# Allegro board 1156197-TDI_VU3P_QSFP28_CXP_V001_1023A-166-20241121_1644_PCB.brd (continued)
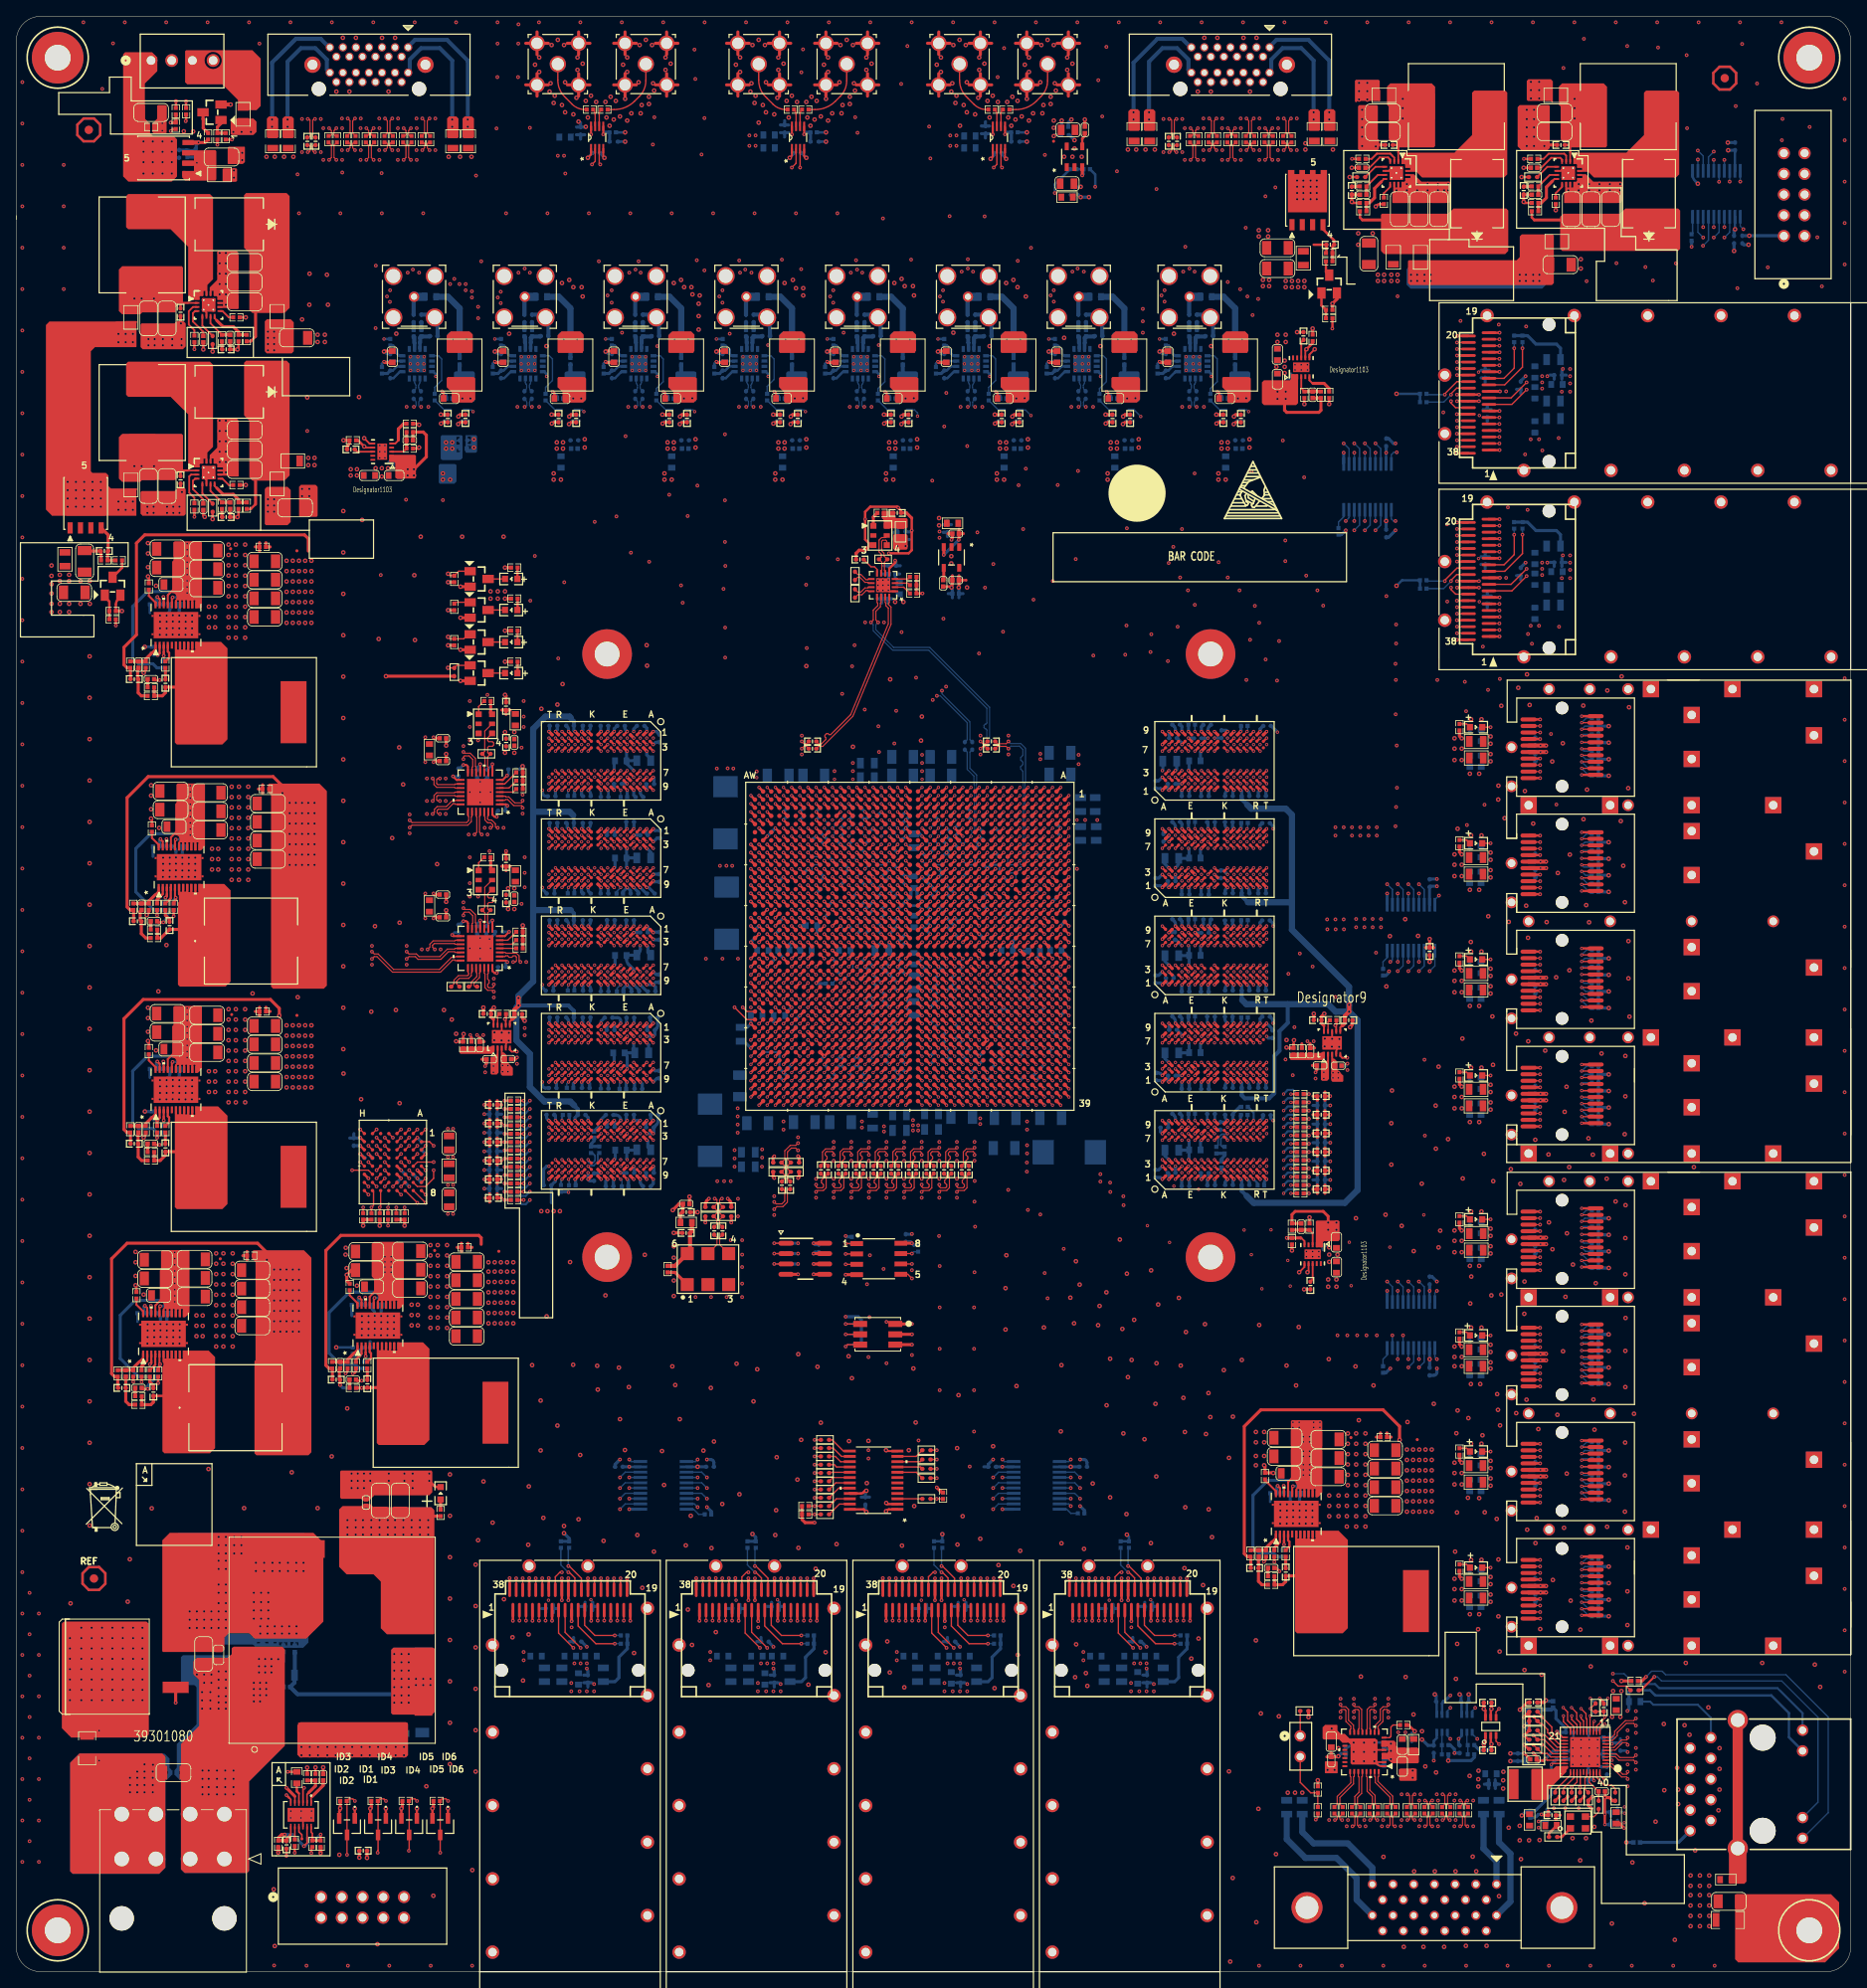
[diagram p0: board, top side]
## Routing (per net, layer and track width the routed paths; a pad name or vN(x,y) marks a point on that pad's centre or on a via; arc(x,y) is an arc through that point) (continued)
  BOTTOM w0.17: v3(192,134.25) 192.7,133.55 R225.2 ; U20.15 v1(170.74,132.33)
CHA_SFP+_6_TX_DISABLE_1V8: length 72.5
  TOP w0.152: U1.P29 v1(116.1,116.36)
  ART14 w0.122: v1(170.74,123.95) 171.32,123.37 171.32,120.9 165.61,115.19 158.37,115.19 157.86,114.68 157.86,113 152.55,107.7 140.08,107.7 133.86,113.92 126.87,113.92 126.62,113.67 126.62,113.16 126.36,112.9 122.94,112.9 122.68,113.16 122.68,113.41 122.3,113.79 120.02,113.79 119.63,114.17 119.63,114.43 119.2,114.86 116.92,114.86 116.59,115.19 116.59,115.82 116.1,116.31 v1(116.1,116.36)
  BOTTOM w0.17: U20.6 v1(170.74,123.95)
CHA_SFP+_6_TXD_N: length 83.6
  TOP w0.14: v1(186.91,133.05) 186.9,133.05 P2.C19 ; U1.D4 v3(126.1,142.36)
  ART16 w0.102: v3(126.1,142.36) 126.1,142.15 arc(126.05,142.01) 125.91,141.96 125.89,141.96 arc(125.76,142.01) 125.7,142.15 125.7,143.8 125.72,144.2 125.72,145.76 125.78,145.81 125.78,145.84
  ART16 w0.114: v1(186.91,133.05) 186.78,133.18 arc(186.65,133.26) 186.5,133.29 186.2,133.29 arc(185.52,133.57) 185.24,134.25 185.24,135.64 arc(185.01,136.81) 184.34,137.8 184.16,137.98 arc(184.1,138.01) 184.04,137.98 arc(183.98,137.95) 183.92,137.98 183.72,138.18 arc(183.69,138.24) 183.72,138.3 arc(183.74,138.37) 183.72,138.43 182.21,139.94 arc(180.36,141.17) 178.18,141.6 arc(176.3,141.98) 174.71,143.04 163.81,153.94 arc(161.72,155.34) 159.26,155.83 136.65,155.83 arc(134.42,155.39) 132.53,154.12 128.53,150.12 arc(128.51,150.06) 128.53,150 arc(128.56,149.93) 128.53,149.87 128.34,149.67 arc(128.27,149.65) 128.21,149.67 arc(128.15,149.7) 128.08,149.67 127.89,149.47 arc(127.86,149.41) 127.89,149.35 arc(127.91,149.28) 127.89,149.22 127.69,149.03 arc(127.63,149) 127.56,149.03 arc(127.5,149.05) 127.44,149.03 127.24,148.83 arc(127.21,148.77) 127.24,148.7 arc(127.26,148.64) 127.24,148.57 127.04,148.38 arc(126.98,148.35) 126.92,148.38 arc(126.85,148.4) 126.79,148.38 126.11,147.7 126.04,147.63 arc(125.85,147.34) 125.78,146.99 125.78,145.84
CHA_SFP+_6_TXD_P: length 83.6
  TOP w0.14: P2.C18 v1(186.91,133.85) ; U1.D5 v3(126.1,141.36)
  ART16 w0.102: 125.47,145.84 125.47,145.81 125.52,145.76 125.52,144.2 125.5,143.81 125.5,142.15 arc(125.61,141.87) 125.89,141.76 125.91,141.76 arc(126.05,141.7) 126.1,141.57 v3(126.1,141.36)
  ART16 w0.114: v1(186.91,133.85) 186.78,133.72 arc(186.65,133.63) 186.5,133.6 186.2,133.6 arc(185.74,133.79) 185.55,134.25 185.55,135.64 arc(185.29,136.93) 184.56,138.02 182.43,140.15 arc(180.48,141.46) 178.18,141.91 arc(176.42,142.26) 174.93,143.26 164.03,154.16 arc(161.84,155.62) 159.26,156.14 136.65,156.14 arc(134.31,155.67) 132.32,154.34 126.38,148.4 126.38,148.4 125.83,147.85 arc(125.76,147.78) 125.7,147.7 arc(125.53,147.36) 125.47,146.99 125.47,145.84
CHA_SFP+_7_LOS: length 44.2
  TOP w0.17: DS11.2 v1(180.83,152.75) ; P2.D8 v3(192,152.5)
  ART05 w0.122: v1(168.14,133.48) 168.14,135.51 177.16,144.53 177.16,147.32 179.45,149.61 179.45,151.76 180.44,152.75 v1(180.83,152.75) 182.38,154.31 187.58,154.31 189.39,152.5 v3(192,152.5)
  BOTTOM w0.17: v3(192,152.5) 192.39,152.88 R239.2 ; v1(168.14,133.48) 168.79,132.83 U20.12
CHA_SFP+_7_LOS_1V8: length 56.2
  TOP w0.152: U1.M29 v1(118.1,116.36)
  ART14 w0.122: v1(118.1,116.36) 118.58,116.84 119.38,116.84 119.63,117.09 119.63,117.47 120.02,117.86 129.79,117.86 130.05,117.6 157.05,117.6 158.32,118.87 161.93,118.87 167,123.95 v1(168.53,123.95)
  BOTTOM w0.17: v1(168.53,123.95) 168.79,124.22 U20.9
CHA_SFP+_7_RXD_N: length 73.6
  TOP w0.14: P2.D12 v1(186.91,152.9) ; U1.G1 v3(123.1,145.36)
  ART14 w0.102: 123.45,145.75 123.45,145.72 123.5,145.67 123.5,145.07 arc(123.47,144.99) 123.39,144.96 123.2,144.96 arc(123.13,144.99) 123.1,145.06 v3(123.1,145.36)
  ART14 w0.114: 123.45,145.75 123.45,145.86 arc(123.52,146.21) 123.71,146.5 arc(123.85,146.71) 123.9,146.95 123.9,147.75 arc(124.16,149.06) 124.91,150.18 125.91,151.18 arc(131.82,155.13) 138.79,156.52 177.34,156.52 arc(179.12,156.16) 180.64,155.15 181.78,154.01 arc(183.28,153) 185.05,152.65 186.5,152.65 arc(186.65,152.68) 186.78,152.77 v1(186.91,152.9)
CHA_SFP+_7_RXD_P: length 73.6
  TOP w0.14: U1.G2 v3(123.1,144.36) ; P2.D13 v1(186.91,152.1)
  ART14 w0.102: v3(123.1,144.36) 123.1,144.65 arc(123.13,144.73) 123.2,144.76 123.39,144.76 arc(123.61,144.85) 123.7,145.07 123.7,145.67 123.75,145.72 123.75,145.75
  ART14 w0.114: v1(186.91,152.1) 186.78,152.23 arc(186.65,152.31) 186.5,152.34 186.37,152.34 arc(186.31,152.32) 186.29,152.26 arc(186.26,152.2) 186.2,152.17 185.92,152.17 arc(185.85,152.2) 185.83,152.26 arc(185.8,152.32) 185.74,152.34 185.05,152.34 arc(183.16,152.72) 181.57,153.79 180.42,154.93 arc(179.01,155.88) 177.34,156.21 138.79,156.21 arc(131.94,154.85) 126.13,150.96 125.12,149.96 arc(124.44,148.95) 124.21,147.75 124.21,146.95 arc(124.13,146.59) 123.93,146.28 arc(123.8,146.09) 123.75,145.86 123.75,145.75
CHA_SFP+_7_TX_DISABLE: length 37.2
  TOP w0.17: P2.D3 v3(192,148.5)
  ART05 w0.122: v1(169.44,132.33) 168.91,132.87 168.91,134.75 179.71,145.54 180.21,145.54 181.99,147.32 183.77,147.32 185.17,145.92 187.58,145.92 190.15,148.5 v3(192,148.5)
  BOTTOM w0.17: U20.13 v1(169.44,132.33) ; v3(192,148.5) 192.7,147.8 R233.2
CHA_SFP+_7_TX_DISABLE_1V8: length 62.5
  TOP w0.152: U1.M30 v1(118.1,115.36)
  ART14 w0.122: v1(118.1,115.36) 118.57,115.82 135.64,115.82 138.68,112.78 154.31,112.78 155.07,113.54 155.07,115.06 156.59,116.59 160.4,116.59 161.04,117.22 165.48,117.22 170.05,121.79 170.05,123.34 v1(169.44,123.95)
  BOTTOM w0.17: U20.8 v1(169.44,123.95)
CHA_SFP+_7_TXD_N: length 81.6
  TOP w0.14: U1.F4 v3(124.1,142.36) ; P2.D19 v1(186.91,147.3)
  ART16 w0.102: v3(124.1,142.36) 124.1,142.15 arc(124.05,142.01) 123.91,141.96 123.89,141.96 arc(123.76,142.01) 123.7,142.15 123.7,143.8 123.72,144.2 123.72,145.76 123.78,145.81 123.78,145.84
  ART16 w0.114: 123.78,145.84 123.78,146.2 arc(123.81,146.37) 123.91,146.51 124.08,146.69 arc(124.3,146.98) 124.43,147.32 arc(124.45,147.46) 124.46,147.6 124.46,147.93 arc(124.49,147.99) 124.55,148.02 arc(124.61,148.04) 124.64,148.11 124.64,148.39 arc(124.61,148.45) 124.55,148.47 arc(124.49,148.5) 124.46,148.56 124.46,148.72 124.46,148.72 arc(124.57,149.25) 124.87,149.71 125.27,150.11 arc(125.34,150.14) 125.41,150.11 arc(125.48,150.08) 125.55,150.11 125.73,150.29 arc(125.76,150.36) 125.73,150.43 arc(125.7,150.5) 125.73,150.57 125.92,150.75 arc(125.99,150.78) 126.05,150.75 arc(126.12,150.73) 126.19,150.75 126.38,150.94 arc(126.41,151.01) 126.38,151.08 arc(126.35,151.15) 126.38,151.22 130.6,155.44 arc(132.58,156.76) 134.91,157.23 175.22,157.23 arc(178.42,156.59) 181.14,154.77 184.38,151.53 arc(185.02,150.58) 185.24,149.46 185.24,149.28 arc(185.22,149.23) 185.16,149.21 arc(185.11,149.19) 185.09,149.13 185.09,148.82 arc(185.11,148.77) 185.16,148.75 arc(185.22,148.73) 185.24,148.67 185.24,148.36 arc(185.48,147.78) 186.06,147.54 186.5,147.54 arc(186.65,147.51) 186.78,147.43 v1(186.91,147.3)
CHA_SFP+_7_TXD_P: length 81.6
  TOP w0.14: U1.F5 v3(124.1,141.36) ; P2.D18 v1(186.91,148.1)
  ART16 w0.102: v3(124.1,141.36) 124.1,141.57 arc(124.05,141.7) 123.91,141.76 123.89,141.76 arc(123.61,141.87) 123.5,142.15 123.5,143.81 123.52,144.2 123.52,145.76 123.47,145.81 123.47,145.84
  ART16 w0.114: v1(186.91,148.1) 186.78,147.97 arc(186.65,147.88) 186.5,147.85 186.06,147.85 arc(185.7,148) 185.55,148.36 185.55,149.46 arc(185.3,150.7) 184.6,151.75 181.36,154.99 arc(178.54,156.87) 175.22,157.53 134.91,157.53 arc(132.46,157.05) 130.39,155.66 124.65,149.92 arc(124.28,149.37) 124.15,148.72 124.15,147.6 arc(124.15,147.5) 124.13,147.39 arc(124.03,147.13) 123.86,146.9 123.69,146.73 arc(123.53,146.49) 123.47,146.2 123.47,145.84
CHA_TEMP_ALERT: length 40.5
  TOP w0.152: U1.AN25 v1(97.1,121.36)
  TOP w0.17: U6.3 v1(92.96,86.87)
  ART05 w0.122: v1(92.96,86.87) 94.23,88.14 94.23,94.49 97.66,97.92 97.66,119.66 97.54,119.79 96.98,119.79 96.6,120.17 96.6,120.85 v1(97.1,121.36)
  BOTTOM w0.17: R54.2 v1(92.96,86.87)
CHA_TEMP_SCL: length 46.6
  TOP w0.152: U1.AR26 v1(94.1,119.36)
  TOP w0.17: U6.2 v1(92.96,88.14)
  ART05 w0.122: v1(94.1,119.36) 93.6,118.85 93.6,105.56 92.99,104.95 92.99,103.86 90.42,101.3 90.42,99.11 89.61,98.3 85.34,98.3 83.95,96.9 83.95,93.98 87.12,90.81 90.3,90.81 v1(92.96,88.14)
  BOTTOM w0.17: R53.2 v1(92.96,88.14)
CHA_TEMP_SDA: length 46.4
  TOP w0.152: U1.AR25 95.1,120.36 v1(95.1,120.36)
  TOP w0.17: U6.1 v1(92.96,89.41)
  ART05 w0.122: v1(92.96,89.41) 91.03,91.34 87.35,91.34 84.45,94.23 84.45,96.5 85.67,97.71 89.66,97.71 90.96,99.01 90.96,101.12 93.46,103.62 93.46,104.61 94.61,105.77 94.61,119.87 v1(95.1,120.36)
  BOTTOM w0.17: R52.2 v1(92.96,89.41)
CHA_VCCAUX: length 39.2
  TOP w0.305: U1.T27 v1(114.1,118.36) ; U1.W26 v1(111.1,119.36) ; U1.AA30 v1(108.1,115.36) ; U1.V31 v1(112.1,114.36) ; U1.V27 v1(112.1,118.36) ; U1.U26 v1(113.1,119.36) ; U1.P31 v1(116.1,114.36) ; U1.W30 v1(111.1,115.36) ; U1.V29 v1(112.1,116.36) ; U1.R28 v1(115.1,117.36) ; U1.R30 v1(115.1,115.36) ; U1.AE28 v1(104.1,117.36) ; U1.AB31 v1(107.1,114.36) ; U1.T31 v1(114.1,114.36) ; U1.Y29 v1(109.1,116.36) ; U1.T29 v1(114.1,116.36) ; U1.AD29 v1(105.1,116.36) ; U1.R26 v1(115.1,119.36) ; U1.U30 v1(113.1,115.36) ; U1.AD27 v1(105.1,118.36) ; U1.AA26 v1(108.1,119.36) ; U1.U28 v1(113.1,117.36) ; U1.Y27 v1(109.1,118.36) ; U1.AF31 v1(103.1,114.36) ; U1.AB27 v1(107.1,118.36) ; U1.AA28 v1(108.1,117.36) ; U1.AC28 v1(106.1,117.36) ; U1.AE30 v1(104.1,115.36) ; U1.AC30 v1(106.1,115.36) ; U1.AE26 v1(104.1,119.36) ; U1.AD31 v1(105.1,114.36) ; U1.AC26 v1(106.1,119.36) ; U1.Y31 v1(109.1,114.36) ; U1.W28 v1(111.1,117.36)
  TOP w0.381: U1.AB29 v1(107.1,116.36)
  BOTTOM w0.381: v1(105.1,116.36) 105.58,115.88 C227.1 105.6,115.86 v1(106.1,115.36) ; v1(112.1,116.36) 112.58,116.83 C234.1 ; C225.1 114.63,119.83 v1(115.1,119.36) ; C232.1 108.63,113.88 v1(109.1,114.36) ; v1(104.1,119.36) 104.58,118.88 C228.1 104.6,118.86 v1(105.1,118.36) ; v1(113.1,119.36) 112.64,118.89 C222.1 112.6,118.86 v1(112.1,118.36) ; v1(107.1,116.36) 107.58,115.88 C224.1 107.6,115.86 v1(108.1,115.36) ; C223.1 113.63,113.88 v1(114.1,114.36) ; v1(107.1,118.36) 106.6,118.86 C233.1 106.57,118.89 v1(106.1,119.36) ; C226.1 104.64,113.89 v1(105.1,114.36) ; C221.1 115.64,113.89 v1(116.1,114.36) ; v1(107.1,114.36) 106.63,113.88 C231.1 ; v1(111.1,117.36) 111.07,117.39 C219.1 110.07,117.39 v1(109.1,118.36)
  vias: v1(109.98,104.52) v1(109.98,103.89) v1(109.98,103.25) v1(110.62,103.89) v1(110.62,103.25)
CHA_VCCINT: length 147.3
  TOP w0.305: U1.T9 v1(113.1,136.36) ; U1.Y19 v1(109.1,127.36) ; U1.U18 v1(113.1,128.36) ; U1.T17 v1(114.1,129.36) ; U1.AA18 v1(108.1,128.36) ; U1.AE12 v1(104.1,134.36) ; U1.R14 v1(115.1,132.36) ; U1.R24 v1(115.1,121.36) ; U1.AF13 v1(103.1,133.36) ; U1.Y25 v1(109.1,120.36) ; U1.AB25 v1(107.1,120.36) ; U1.V13 v1(112.1,133.36) ; U1.W24 v1(111.1,121.36) ; U1.T15 v1(114.1,131.36) ; U1.W12 v1(111.1,134.36) ; U1.AC12 v1(106.1,134.36) ; U1.Y13 v1(109.1,133.36) ; U1.AD23 v1(105.1,122.36) ; U1.V15 v1(112.1,131.36) ; U1.AA24 v1(108.1,121.36) ; U1.U20 v1(113.1,126.36) ; U1.AA14 v1(108.1,132.36) ; U1.AC10 v1(106.1,136.36) ; U1.W20 v1(111.1,126.36) ; U1.R12 v1(115.1,134.36) ; U1.AB13 v1(107.1,133.36) ; U1.AC24 v1(106.1,121.36) ; U1.AE16 v1(104.1,130.36) ; U1.AD13 v1(105.1,133.36) ; U1.R10 v1(115.1,136.36) ; U1.Y17 v1(109.1,129.36) ; U1.AE18 v1(104.1,128.36) ; U1.AC16 v1(106.1,130.36) ; U1.U24 v1(113.1,121.36) ; U1.Y11 v1(109.1,135.36) ; U1.T21 v1(114.1,124.36) ; U1.V17 v1(112.1,129.36) ; U1.V25 v1(112.1,120.36) ; U1.U10 v1(113.1,135.36) ; U1.AE22 v1(104.1,123.36) ; U1.AC18 v1(106.1,128.36) ; U1.V23 v1(112.1,122.36) ; U1.AA12 v1(108.1,134.36) ; U1.U14 v1(113.1,132.36) ; U1.Y23 v1(109.1,122.36) ; U1.T25 v1(114.1,120.36) ; U1.V11 v1(112.1,135.36) ; U1.T13 v1(114.1,133.36) ; U1.P15 v1(116.1,131.36) ; U1.AD21 v1(105.1,124.36) ; U1.R20 v1(115.1,126.36) ; U1.AA20 v1(108.1,126.36) ; U1.U12 v1(113.1,134.36) ; U1.AC22 v1(106.1,123.36) ; U1.U16 v1(113.1,130.36) ; U1.W14 v1(111.1,132.36) ; U1.AB11 v1(107.1,135.36) ; U1.AD11 v1(105.1,135.36) ; U1.AE24 v1(104.1,121.36) ; U1.AC20 v1(106.1,126.36) ; U1.AA22 v1(108.1,123.36) ; U1.AB9 v1(107.1,137.36) ; U1.P17 v1(116.1,129.36) ; U1.T19 v1(114.1,127.36) ; U1.W22 v1(111.1,123.36) ; U1.AC14 v1(106.1,132.36) ; U1.AF11 v1(103.1,135.36) ; U1.AB21 v1(107.1,124.36) ; U1.U22 v1(113.1,123.36) ; U1.P13 v1(116.1,133.36) ; U1.AE14 v1(104.1,132.36) ; U1.T23 v1(114.1,122.36) ; U1.AD17 v1(105.1,129.36) ; U1.AF25 v1(103.1,120.36) ; U1.AD9 v1(105.1,137.36) ; U1.V21 v1(112.1,124.36) ; U1.AF17 v1(103.1,129.36) ; U1.T11 v1(114.1,135.36) ; U1.AE20 v1(104.1,126.36) ; U1.Y21 v1(109.1,124.36) ; U1.R18 v1(115.1,128.36) ; U1.W18 v1(111.1,128.36) ; U1.V19 v1(112.1,127.36) ; U1.R16 v1(115.1,130.36) ; U1.V9 v1(112.1,137.36) ; U1.AB19 v1(107.1,127.36) ; U1.AD19 v1(105.1,127.36) ; U1.AD15 v1(105.1,131.36) ; U1.AB17 v1(107.1,129.36) ; U1.R22 v1(115.1,123.36) ; U1.AD25 v1(105.1,120.36) ; U1.AB23 v1(107.1,122.36) ; U1.P19 v1(116.1,127.36)
  TOP w0.381: U1.AE10 v1(104.1,136.36) ; 57.02,89.28 57.02,90.07 56.72,90.37 39.83,90.37 37.97,88.52 37.97,74.43 38.35,74.05 R336.1 38.77,74.01 C653.2 ; 55.39,89.41 R343.2 55.9,88.9
  BOTTOM w0.381: v1(104.1,130.36) 104.58,130.83 C918.1 104.6,130.86 v1(105.1,131.36) ; v1(109.1,127.36) 108.6,126.86 C910.1 108.58,126.83 v1(108.1,126.36) ; v1(104.1,123.36) 104.57,122.89 C188.1 ; v1(109.1,120.36) 109.31,120.56 C137.1 110.3,120.56 v1(111.1,121.36) ; v1(113.1,134.36) 113.58,134.83 C139.1 U1.T11 ; v1(106.1,134.36) 106.58,134.83 C184.1 106.6,134.86 v1(107.1,135.36) ; v1(112.1,120.36) 112.6,120.86 C182.1 112.63,120.88 v1(113.1,121.36) ; C916.1 106.58,130.83 v1(106.1,130.36) ; v1(115.1,128.36) 114.64,128.82 C186.1 114.6,128.86 v1(114.1,129.36) ; C145.1 U1.AE12 v1(105.1,133.36) ; v1(106.1,128.36) 105.63,128.83 C915.1 U1.AD17 v1(105.1,129.36) ; v1(109.1,133.36) U1.AA12 C148.1 108.57,133.89 v1(108.1,134.36) ; C187.1 112.63,127.88 v1(113.1,128.36) ; C181.1 105.64,131.89 v1(106.1,132.36) ; v1(108.1,128.36) 107.64,127.89 C140.1 107.6,127.86 v1(107.1,127.36) ; C183.1 105.58,136.88 v1(105.1,137.36) ; U1.T11 v1(113.1,135.36) ; U1.T11 v1(114.1,135.36) ; v1(106.1,121.36) 105.63,121.83 C913.1 105.6,121.86 v1(105.1,122.36) ; v1(111.1,123.36) 111.58,122.88 C141.1 U1.V23 v1(112.1,122.36) ; C917.1 U1.AB9 v1(107.1,137.36) ; v1(108.1,123.36) 108.58,122.88 C185.1 108.6,122.86 v1(109.1,122.36) ; v1(112.1,129.36) 111.6,129.86 C909.1 ; v1(108.1,132.36) 107.64,131.89 C142.1 ; v1(114.1,122.36) U1.T23 C143.1 113.58,122.88 v1(113.1,123.36) ; v1(112.1,137.36) 112.6,137.86 R8.1 ; v1(114.1,131.36) U1.T15 C147.1 113.58,130.83 v1(113.1,130.36) ; v1(105.1,124.36) 105.32,124.58 C138.1 105.32,125.58 v1(106.1,126.36) ; v1(114.1,120.36) 114.6,120.86 C914.1 114.63,120.88 v1(115.1,121.36) ; v1(114.1,133.36) 114.6,132.86 C146.1 114.64,132.82 v1(115.1,132.36) ; v1(108.1,121.36) 107.63,121.83 C912.1 107.6,121.86 v1(107.1,122.36) 106.6,122.86 C180.1 106.58,122.88 v1(106.1,123.36) ; v1(113.1,132.36) 112.64,132.82 C144.1 112.6,132.86 v1(112.1,133.36) 111.6,133.86 C179.1 111.57,133.89 v1(111.1,134.36) ; v1(112.1,127.36) 111.6,127.86 C911.1 111.57,127.89 v1(111.1,128.36)
  vias: v1(84.58,124.33) v1(85.92,147.68) v1(86.61,124.33) v1(87.25,147.7) v1(87.95,147.68) v1(88.52,124.33) v1(88.48,105.98) v1(88.48,104.98) v1(88.48,103.98) v1(88.48,102.98) v1(111.1,149.36) v1(111.1,148.36) v1(111.1,147.36) v1(123.97,101.44) v1(123.97,100.44) v1(123.95,99.31) v2(57.91,87.07) v2(57.91,85.93) v2(57.91,84.66) v2(57.91,83.39) v2(57.91,82.12) v2(57.91,80.85) v2(57.91,79.58) v2(58.67,87.07) v2(58.67,85.93) v2(58.67,84.66) v2(58.67,83.39) v2(58.67,82.12) v2(58.67,80.85) v2(58.67,79.58) v2(59.44,87.07) v2(59.44,85.93) v2(59.44,84.66) v2(59.44,83.39) v2(59.44,82.12) v2(59.44,80.85) v2(59.44,79.58) v2(60.2,87.07) v2(60.2,85.93) v2(60.2,84.66) v2(60.2,83.39) v2(60.2,82.12) v2(60.2,80.85) v2(60.2,79.58) v2(60.96,87.07) v2(60.96,85.93) v2(60.96,84.66) v2(60.96,83.39) v2(60.96,82.12) v2(60.96,80.85) v2(60.96,79.58) v3(111.1,146.36)
CHA_VCCINT_EN: length 4.3
  TOP w0.279: U43.2 42.35,75.85 v1(42.11,75.62) 41.66,75.16 R346.2
  BOTTOM w0.381: C667.1 42.11,76.24 v1(42.11,75.62) 41.48,75.62 R345.2
CHA_VCCINT_GOOD: length 47.3
  TOP w0.279: U43.3 42.85,75.98
  TOP w0.305: 42.85,75.98 v1(42.85,75.55) ; R371.2 v1(15.37,72.39)
  ART03 w0.381: v1(42.85,75.55) 42.85,75.06 42.47,74.68 38.99,74.68 35.56,71.25 35.56,65.28 32.92,62.64 18.41,62.64 15.37,65.68 v1(15.37,72.39)
  BOTTOM w0.381: R344.2 42.85,75.02 v1(42.85,75.55)
CLK_SEL: length 162.7
  TOP w0.152: U1.N23 v1(117.1,122.36)
  TOP w0.17: J3.2 157.48,23.24 158.77,21.95 R35.1 R579.1
  ART03 w0.122: J3.2 156.21,27.66 156.21,53.59 155.83,53.98 154.1,53.98 151,57.07 151,69.72 154.48,73.2 164.82,73.2 166.88,75.26 v1(166.88,78.11)
  ART16 w0.122: v1(117.1,122.36) 116.59,121.84 116.59,116.2 116.97,115.82 117.35,115.82 117.6,115.57 117.6,113.16 117.86,112.9 130.18,112.9 130.81,112.27 130.81,100.97 138.43,93.34 161.67,93.34 165.1,89.92 165.1,79.88 v1(166.88,78.11)
DDR4_1V2: length 321.6
  TOP w0.267: U14.J2 v3(146.97,134.68) ; U11.J2 v3(71.73,114.8) ; U17.J2 v3(146.97,98.86) ; U10.J2 v3(71.73,150.62) ; U16.J2 v3(146.97,146.62) ; U7.J2 v3(71.73,126.74)
  TOP w0.305: U1.AJ10 v1(100.1,136.36) ; U14.G1 v3(145.37,133.08) ; U14.J1 v3(146.97,133.08) ; U10.C1 v3(76.53,152.22) ; U14.B9 v3(141.36,140.28) ; U15.D1 v3(142.97,109.2) ; U1.N20 v1(117.1,126.36) ; U1.AG16 v1(102.1,130.36) ; U7.B9 v3(77.33,121.14) ; U15.A9 v3(140.56,116.4) ; U7.A9 v3(78.13,121.14) ; U1.AH13 v1(101.1,133.36) ; U1.AL14 v1(98.1,132.36) ; U1.K19 v1(120.1,127.36) ; v1(93.1,130.36) 93.1,130.36 U1.AU16 ; U15.C1 v3(142.17,109.2) ; U1.C10 v1(127.1,136.36) ; U1.AK17 v1(99.1,129.36) ; v1(126.1,128.36) 126.1,128.36 U1.D17 ; U1.AT9 v1(93.1,137.36) ; U1.AW10 v1(90.1,136.36) ; U9.B9 v3(77.33,97.26) ; U11.B9 v3(77.33,109.2) ; U7.C1 v3(76.53,128.34) ; U7.D1 v3(75.73,128.34) ; U1.J12 v1(121.1,134.36) ; U9.D1 v3(75.73,104.46) ; U13.D1 v3(142.97,121.14) ; U1.AF19 v1(103.1,127.36) ; U11.A9 v3(78.13,109.2) ; U1.K9 v1(120.1,137.36) ; U8.C1 v3(76.53,140.28) ; U1.F11 v1(124.1,135.36) ; U14.A9 v3(140.56,140.28) ; U1.AN8 v1(96.1,138.36) ; U9.C1 v3(76.53,104.46) ; U1.AN18 v1(96.1,128.36) ; U13.C1 v3(142.17,121.14) ; U1.E14 v1(125.1,132.36) ; U1.AT19 v1(93.1,127.36) ; v1(126.1,126.36) 126.1,126.36 U1.C20 ; U1.B13 v1(128.1,133.36) ; U1.AR12 v1(94.1,134.36) ; U1.H15 v1(122.1,131.36) ; U17.C1 v3(142.17,97.26) ; U17.D1 v3(142.97,97.26) ; U14.D1 v3(142.97,133.08) ; U16.B9 v3(141.36,152.22) ; U1.AP15 v1(95.1,131.36) ; U1.G8 v1(123.1,138.36) ; U9.F8 v3(74.13,98.06) ; U17.A9 v3(140.56,104.46) ; U11.D1 v3(75.73,116.4) ; U8.B9 v3(77.33,133.08) ; U16.A9 v3(140.56,152.22) ; U1.G18 v1(123.1,128.36) ; U9.A9 v3(78.13,97.26) ; U1.A16 v1(129.1,130.36) ; U1.AM21 v1(97.1,124.36) ; U10.B9 v3(77.33,145.01) ; U8.D1 v3(75.73,140.28) ; U1.AW20 v1(90.1,126.36) ; U1.AV13 v1(91.1,133.36) ; U13.A9 v3(140.56,128.34) ; U1.N10 v1(117.1,136.36) ; U1.M13 v1(118.1,133.36) ; U15.B9 v3(141.36,116.4) ; U1.AM11 v1(97.1,135.36) ; U16.C1 v3(142.17,145.01) ; U16.D1 v3(142.97,145.01) ; U17.B9 v3(141.36,104.46) ; U11.C1 v3(76.53,116.4) ; U1.AJ20 v1(100.1,126.36) ; U14.C1 v3(142.17,133.08) ; U1.AF9 v1(103.1,137.36) ; U10.A9 v3(78.13,145.01)
  TOP w0.381: U14.F8 v3(144.57,139.48) ; U7.G1 v3(73.33,128.34) ; U17.B3 v3(141.36,99.66) ; C670.2 14.01,102.96 R348.1 13.59,103 13.21,103.38 13.21,116.97 15.57,119.33 31.17,119.33 32.26,118.24 v2(32.26,117.35) ; U14.A1 v3(140.56,133.08) ; U16.J1 v3(146.97,145.01) ; U8.J8 v3(71.73,133.88) ; U17.L9 v3(149.36,104.46) ; U9.J8 v3(71.73,98.06) ; U7.R1 v3(66.13,128.34) ; U10.R1 v3(66.13,152.22) ; U17.F8 v3(144.57,102.86) ; U7.G7 v3(73.33,123.54) ; U10.G9 v3(73.33,145.01) ; 54.3,114.14 R115.1 54.81,114.65 ; U8.L9 v3(69.33,133.08) ; U8.A1 v3(78.13,140.28) ; U7.F8 v3(74.13,121.94) ; U15.G7 v3(145.37,114) ; v3(69.33,116.4) U11.L1 ; U10.G7 v3(73.33,147.42) ; U13.J2 v3(146.97,121.94) ; U14.B3 v3(141.36,135.48) ; U9.L9 v3(69.33,97.26) ; 156.67,113.89 R158.1 156.16,113.38 ; U9.G9 v3(73.33,97.26) ; U14.T9 v3(153.36,140.28) ; 30.63,118.36 R355.2 31.14,117.86 ; U15.J2 v3(146.97,110) ; U13.T9 v3(153.36,128.34) ; U13.J1 v3(146.97,121.14) ; U13.A1 v3(140.56,121.14) ; U7.J8 v3(71.73,122.74) ; U14.D9 v3(142.97,140.28) ; v3(149.36,121.14) U13.L1 ; v3(149.36,145.01) U16.L1 ; U13.G7 v3(145.37,125.94) ; U8.F8 v3(74.13,133.88) ; U9.J9 v3(71.73,97.26) ; U11.R1 v3(66.13,116.4) ; v3(149.36,109.2) U15.L1 ; U13.D9 v3(142.97,128.34) ; U9.J2 v3(71.73,103.66) ; U7.J9 v3(71.73,121.14) ; U17.G7 v3(145.37,102.06) ; U9.F2 v3(74.13,103.66) ; U17.J9 v3(146.97,104.46) ; U15.T9 v3(153.36,116.4) ; U9.A1 v3(78.13,104.46) ; U11.L9 v3(69.33,109.2) ; U15.G1 v3(145.37,109.2) ; v3(149.36,133.08) U14.L1 ; U15.J9 v3(146.97,116.4) ; v3(69.33,128.34) U7.L1 ; U13.B3 v3(141.36,123.54) ; U10.F8 v3(74.13,146.62) ; U16.A1 v3(140.56,145.01) ; v3(149.36,97.26) U17.L1 ; U17.J8 v3(146.97,103.66) ; U13.J8 v3(146.97,126.74) ; U16.G9 v3(145.37,152.22) ; v3(69.33,152.22) U10.L1 ; U17.A1 v3(140.56,97.26) ; U17.D9 v3(142.97,104.46) ; U11.D9 v3(75.73,109.2) ; U7.J1 v3(71.73,128.34) ; U7.F2 v3(74.13,126.74) ; U15.J1 v3(146.97,109.2) ; U11.G7 v3(73.33,111.6) ; U7.G9 v3(73.33,121.14) ; U16.L9 v3(149.36,152.22) ; U11.J1 v3(71.73,116.4) ; U10.J9 v3(71.73,145.01) ; U16.B3 v3(142.17,147.42) ; U8.G1 v3(73.33,140.28) ; U14.L9 v3(149.36,140.28) ; U13.G9 v3(145.37,128.34) ; U8.D9 v3(75.73,133.08) ; U10.L9 v3(69.33,145.01) ; U8.G9 v3(73.33,133.08) ; U16.F2 v3(144.57,146.62) ; U1.J22 v1(121.1,124.36) ; v3(69.33,140.28) U8.L1 ; U10.J8 v3(71.73,145.82) ; U11.G9 v3(73.33,109.2) ; U8.F2 v3(74.13,138.68) ; U16.D9 v3(142.97,152.22) ; U14.J8 v3(146.97,138.68) ; U7.A1 v3(78.13,127.54) ; U16.G1 v3(145.37,145.01) ; U15.R1 v3(152.56,109.2) ; U17.F2 v3(144.57,98.86) ; U10.D1 v3(75.73,151.42) ; U8.R1 v3(66.13,140.28) ; U7.L9 v3(69.33,121.14) ; v3(69.33,104.46) U9.L1 ; U15.A1 v3(140.56,109.2) ; U15.F2 v3(144.57,110) ; U1.L16 v1(119.1,130.36) ; U9.D9 v3(75.73,97.26) ; U16.R1 v3(152.56,145.01) ; U9.T9 v3(65.33,97.26) ; U11.F8 v3(74.13,110) ; U10.F2 v3(74.13,150.62) ; U8.A9 v3(78.13,133.88) ; U15.L9 v3(149.36,116.4) ; U17.G1 v3(145.37,97.26) ; U17.J1 v3(146.97,97.26) ; U15.D9 v3(142.97,116.4) ; U16.J8 v3(146.97,150.62) ; U13.F2 v3(144.57,121.94) ; U11.J9 v3(71.73,109.2) ; U8.B3 v3(77.33,137.88) ; U9.G1 v3(73.33,104.46) ; U11.A1 v3(78.13,116.4) ; U13.B9 v3(141.36,127.54) ; U15.J8 v3(146.97,115.6) ; U8.J1 v3(71.73,140.28) ; U14.G9 v3(145.37,140.28) ; U10.G1 v3(73.33,152.22) ; U15.F8 v3(144.57,115.6) ; U14.R1 v3(152.56,133.08) ; U11.G1 v3(73.33,116.4) ; U13.R1 v3(152.56,121.14) ; U13.L9 v3(149.36,128.34) ; U13.G1 v3(145.37,121.14) ; U10.A1 v3(78.13,152.22) ; U11.F2 v3(74.13,114.8) ; U8.J2 v3(71.73,139.48) ; U16.G7 v3(145.37,149.82) ; U9.G7 v3(73.33,99.66) ; U17.T9 v3(153.36,104.46) ; U16.T9 v3(153.36,152.22) ; U8.J9 v3(71.73,133.08) ; U17.G9 v3(145.37,104.46) ; U9.R1 v3(66.13,104.46) ; U9.J1 v3(71.73,104.46) ; U11.J8 v3(71.73,110.8) ; U16.F8 v3(144.57,150.62) ; U10.D9 v3(75.73,145.01) ; U17.R1 v3(152.56,97.26) ; U15.B3 v3(141.36,111.6) ; U11.T9 v3(65.33,109.2) ; U7.B3 v3(77.33,125.94) ; U10.T9 v3(65.33,145.01) ; U14.F2 v3(144.57,133.88) ; U14.G7 v3(145.37,137.88) ; U9.B3 v3(77.33,102.06) ; U10.B3 v3(77.33,149.82) ; U15.G9 v3(145.37,116.4) ; U8.T9 v3(65.33,133.08) ; U10.J1 v3(71.73,152.22) ; U11.B3 v3(77.33,114) ; U1.F21 v1(123.1,125.36) ; U7.T9 v3(65.33,121.14) ; U8.G7 v3(73.33,135.48) ; U14.J9 v3(146.97,140.28) ; U7.D9 v3(75.73,121.14) ; U13.J9 v3(146.97,128.34) ; U16.J9 v3(146.97,152.22) ; U13.F8 v3(144.57,127.54)
  BOTTOM w0.305: v3(71.73,145.01) 71.69,144.98 C289.1 ; v3(71.73,109.2) 71.69,109.16 C302.1 ; C394.1 147,104.5 v3(146.97,104.46) ; C245.1 71.69,121.1 v3(71.73,121.14) ; C365.1 147,116.44 v3(146.97,116.4) ; C350.1 147,140.31 v3(146.97,140.28)
  BOTTOM w0.381: C297.1 73.33,112.66 v3(73.33,111.6) ; v3(142.97,104.46) 142.97,105.08 C399.1 ; v3(142.97,140.28) 142.97,140.89 C353.1 ; C307.1 75.78,116.45 v3(75.73,116.4) ; C367.1 140.38,109.39 v3(140.56,109.2) ; C276.1 74.15,98.04 v3(74.13,98.06) ; C288.1 71.67,152.28 v3(71.73,152.22) ; v1(121.1,134.36) 121.58,133.87 R76.2 ; v3(149.36,145.01) 149.21,144.86 C386.1 ; C59.1 U1.H15 v1(122.1,131.36) ; C274.1 78.13,96.71 v3(78.13,97.26) ; C268.1 77.25,97.34 v3(77.33,97.26) ; v1(97.1,124.36) 97.55,124.81 C50.1 ; C335.1 141.42,127.6 v3(141.36,127.54) ; C262.1 69.48,140.43 v3(69.33,140.28) ; v3(145.37,145.01) 145.33,144.98 C385.1 ; v3(78.13,127.54) 78.19,127.6 C244.1 ; C51.1 103.58,136.88 v1(103.1,137.36) ; v3(73.33,99.66) 73.47,99.8 C267.1 ; v3(141.36,99.66) 140.88,100.15 C390.1 ; C343.1 145.61,128.58 v3(145.37,128.34) ; C253.1 69.33,132.51 v3(69.33,133.08) ; v1(94.1,134.36) 93.6,133.86 C70.1 ; v3(69.33,121.14) 69.51,120.96 C241.1 ; C75.1 103.6,127.86 v1(103.1,127.36) ; C401.1 149.21,97.11 v3(149.36,97.26) ; C246.1 75.76,128.37 v3(75.73,128.34) ; C300.1 66.36,116.63 v3(66.13,116.4) ; C371.1 142.94,109.17 v3(142.97,109.2) ; v3(75.73,109.2) 75.83,109.1 C304.1 ; C368.1 142.97,117.02 v3(142.97,116.4) ; v3(144.57,127.54) 144.6,127.51 C338.1 ; v3(69.33,128.34) 69.48,128.49 C248.1 ; v3(78.13,104.46) 77.81,104.78 C273.1 ; C48.1 U1.A16 v1(129.1,130.36) ; C287.1 77.28,145.06 v3(77.33,145.01) ; C275.1 71.73,104.58 v3(71.73,104.46) ; v3(69.33,109.2) 69.38,109.15 C299.1 ; C369.1 149.21,109.05 v3(149.36,109.2) ; v3(149.36,104.46) 149.21,104.61 C393.1 149.21,105.3 150.06,106.15 R136.1 ; v3(142.97,133.08) 142.94,133.05 C354.1 ; C285.1 73.33,148.5 v3(73.33,147.42) ; v3(78.13,140.28) 78.34,140.07 C258.1 ; v3(145.37,121.14) 145.3,121.07 C336.1 ; v3(78.13,121.14) 78.44,121.45 C306.1 ; v3(78.13,121.14) v3(77.33,121.14) ; v3(78.13,121.14) 78.4,120.87 C298.1 ; 160.32,110.69 C418.1 ; C363.1 149.19,116.58 v3(149.36,116.4) ; v3(141.36,152.22) 141.41,152.17 C380.1 ; v3(140.56,97.26) 140.36,97.47 C397.1 ; C384.1 152.34,144.79 v3(152.56,145.01) ; v3(140.56,121.14) 140.36,121.35 C337.1 ; C252.1 73.44,135.59 v3(73.33,135.48) ; v3(146.97,134.68) 147.42,134.22 C356.1 ; C266.1 77.47,101.23 77.47,101.92 v3(77.33,102.06) ; C370.1 154.08,115.69 v3(153.36,116.4) ; v3(140.56,133.08) 140.36,133.29 C351.1 ; R66.2 99.62,136.84 v1(100.1,136.36) U1.AJ10 C53.1 ; C361.1 145.25,113.89 v3(145.37,114) ; v3(142.17,147.42) 142.33,147.58 C378.1 ; v1(101.1,133.36) 101.6,133.86 C52.1 ; C383.1 146.13,151.38 v3(146.16,151.42) ; C68.1 99.6,129.86 v1(99.1,129.36) ; C270.1 66.13,105.03 v3(66.13,104.46) ; v3(75.73,133.08) 76.29,132.52 C254.1 ; C345.1 140.88,135.96 v3(141.36,135.48) ; C366.1 145.33,109.16 v3(145.37,109.2) ; C332.1 140.88,124.02 v3(141.36,123.54) ; C58.1 118.6,130.86 v1(119.1,130.36) ; v3(78.13,116.4) 77.73,116.8 C303.1 ; C379.1 145.25,149.7 v3(145.37,149.82) ; v3(142.97,128.34) 142.97,128.95 C342.1 ; v3(73.33,104.46) 73.39,104.4 C271.1 ; C66.1 U1.K9 v1(120.1,137.36) 120.58,136.87 R77.2 ; v3(145.37,97.26) 145.3,97.33 C395.1 ; C249.1 76.39,120.48 v3(75.73,121.14) ; v3(145.37,133.08) 145.33,133.04 C349.1 ; R65.2 96.6,134.86 v1(97.1,135.36) ; v1(127.1,136.36) 126.6,136.86 C62.1 ; v3(142.97,145.01) 142.94,144.99 C389.1 ; C242.1 66.36,128.57 v3(66.13,128.34) ; v3(140.56,140.28) 140.69,140.15 C347.1 ; v1(98.1,132.36) 98.6,132.86 C77.1 ; v1(100.1,126.36) 100.9,125.56 C57.1 ; v3(77.33,149.82) 77.33,149.37 77.81,148.88 C284.1 ; C243.1 73.39,128.4 v3(73.33,128.34) ; C46.1 U1.K19 v1(120.1,127.36) ; C286.1 69.33,144.45 v3(69.33,145.01) ; C301.1 71.73,116.65 v3(71.73,116.4) ; C65.1 90.87,125.59 v1(90.1,126.36) 90.6,126.86 C69.1 ; C259.1 77.55,133.08 v3(77.33,133.08) ; v3(73.33,116.4) 73.37,116.36 C247.1 ; C341.1 142.94,121.11 v3(142.97,121.14) ; C261.1 78.24,133.77 v3(78.13,133.88) ; C305.1 69.48,116.55 v3(69.33,116.4) ; v3(75.73,140.28) 75.76,140.3 C260.1 ; v3(78.13,152.22) 78.51,152.22 C290.1 ; v3(145.37,152.22) 145.37,152.82 C388.1 ; v3(146.97,151.42) 146.97,151.42 C381.1 ; C63.1 U1.B13 v1(128.1,133.36) ; C293.1 75.73,144.4 v3(75.73,145.01) ; C400.1 147.29,103.34 v3(146.97,103.66) ; R93.1 67.66,95.74 v3(67.73,95.66) ; C362.1 141.41,116.35 v3(141.36,116.4) ; v1(123.1,125.36) 123.18,125.27 C67.1 ; C277.1 75.76,104.49 v3(75.73,104.46) v3(76.53,104.46) ; C295.1 69.48,152.37 v3(69.33,152.22) ; v3(149.36,140.28) 149.19,140.45 C348.1 ; v3(77.33,125.94) 77.47,125.8 77.47,125.11 C238.1 ; v3(146.97,97.26) 147.03,97.2 C396.1 ; v3(152.56,121.14) 152.34,120.91 C339.1 ; v3(149.36,128.34) 149.19,128.52 C334.1 ; v3(145.37,137.88) 145.25,137.76 C346.1 ; C291.1 66.36,152.44 v3(66.13,152.22) ; C340.1 149.21,120.99 v3(149.36,121.14) ; v3(149.36,133.08) 149.21,132.93 C355.1 ; C269.1 71.67,98.01 v3(71.73,98.06) ; v3(78.13,109.2) 78.57,109.64 C240.1 ; C294.1 73.33,152.54 v3(73.33,152.22) ; C329.2 71.39,103.66 v3(71.73,103.66) ; v3(77.33,114) 77.56,113.77 C296.1 ; C76.1 93.6,127.86 v1(93.1,127.36) ; C398.1 142.94,97.24 v3(142.97,97.26) ; v3(147.76,98.06) 147.83,98.13 C423.2 ; C239.1 73.44,123.65 v3(73.33,123.54) ; v3(142.97,152.22) 142.97,152.83 C387.1 ; C251.1 77.81,137.39 v3(77.33,137.88) ; C255.1 71.67,133.01 v3(71.73,133.08) ; C47.1 125.6,132.86 v1(125.1,132.36) ; v3(66.13,140.28) 66.36,140.51 C257.1 ; C272.1 73.24,97.18 v3(73.33,97.26) ; C382.1 140.36,145.22 v3(140.56,145.01) ; C391.1 145.25,101.95 v3(145.37,102.06) ; C392.1 141.29,104.39 v3(141.36,104.46) ; v3(152.56,133.08) 152.34,132.85 C352.1 ; C60.1 U1.G18 v1(123.1,128.36) ; v1(96.1,128.36) 96.14,128.4 C45.1 ; C292.1 73.32,145.03 v3(73.33,145.01) ; 58.47,111.45 C324.1 ; v1(126.1,126.36) 126.81,125.65 C74.1 ; v3(145.37,125.94) 145.25,125.83 C333.1 ; v3(73.33,140.28) 73.39,140.21 C256.1 ; v3(152.56,109.2) 152.34,108.97 C364.1 ; v3(141.36,111.6) 140.88,112.09 C360.1
  vias: v1(58.52,111.15) v1(58.52,110.39) v1(102.61,148.36) v1(102.61,147.36) v1(131.1,141.36) v1(132.59,141.35) v1(160.38,110.39) v1(160.38,109.63) v2(33.15,116.15) v2(33.15,114.88) v2(33.15,113.61) v2(33.15,112.34) v2(33.15,111.07) v2(33.15,109.8) v2(33.15,108.53) v2(33.91,116.15) v2(33.91,114.88) v2(33.91,113.61) v2(33.91,112.34) v2(33.91,111.07) v2(33.91,109.8) v2(33.91,108.53) v2(34.67,116.15) v2(34.67,114.88) v2(34.67,113.61) v2(34.67,112.34) v2(34.67,111.07) v2(34.67,109.8) v2(34.67,108.53) v2(35.43,116.15) v2(35.43,114.88) v2(35.43,113.61) v2(35.43,112.34) v2(35.43,111.07) v2(35.43,109.8) v2(35.43,108.53) v2(36.2,116.15) v2(36.2,114.88) v2(36.2,113.61) v2(36.2,112.34) v2(36.2,111.07) v2(36.2,109.8) v2(36.2,108.53) v2(53.95,115.11) v2(53.95,114.2) v2(54.86,115.09) v2(155.8,114.35) v2(155.8,113.44) v2(156.72,114.33) v3(102.61,146.36) v3(130.1,141.36)
